# Altium PCB fMAX_MB.PcbDoc (part 2 of 13)
Units mil, origin at the board's own origin, x right, y up, seen from the top; angles counter-clockwise.
Board outline 9175 x 6300 mil, 14 copper layers (TopLayer, Gnd1, MidLayer1, Power1, MidLayer4, Power2, MidLayer2, Power3, MidLayer3, Gnd3, MidLayer6, Gnd2, MidLayer5, BottomLayer); 679 components, 896 nets, 4133 pads, 2341 vias.
Unrouted connection lines stored in the file: 4.
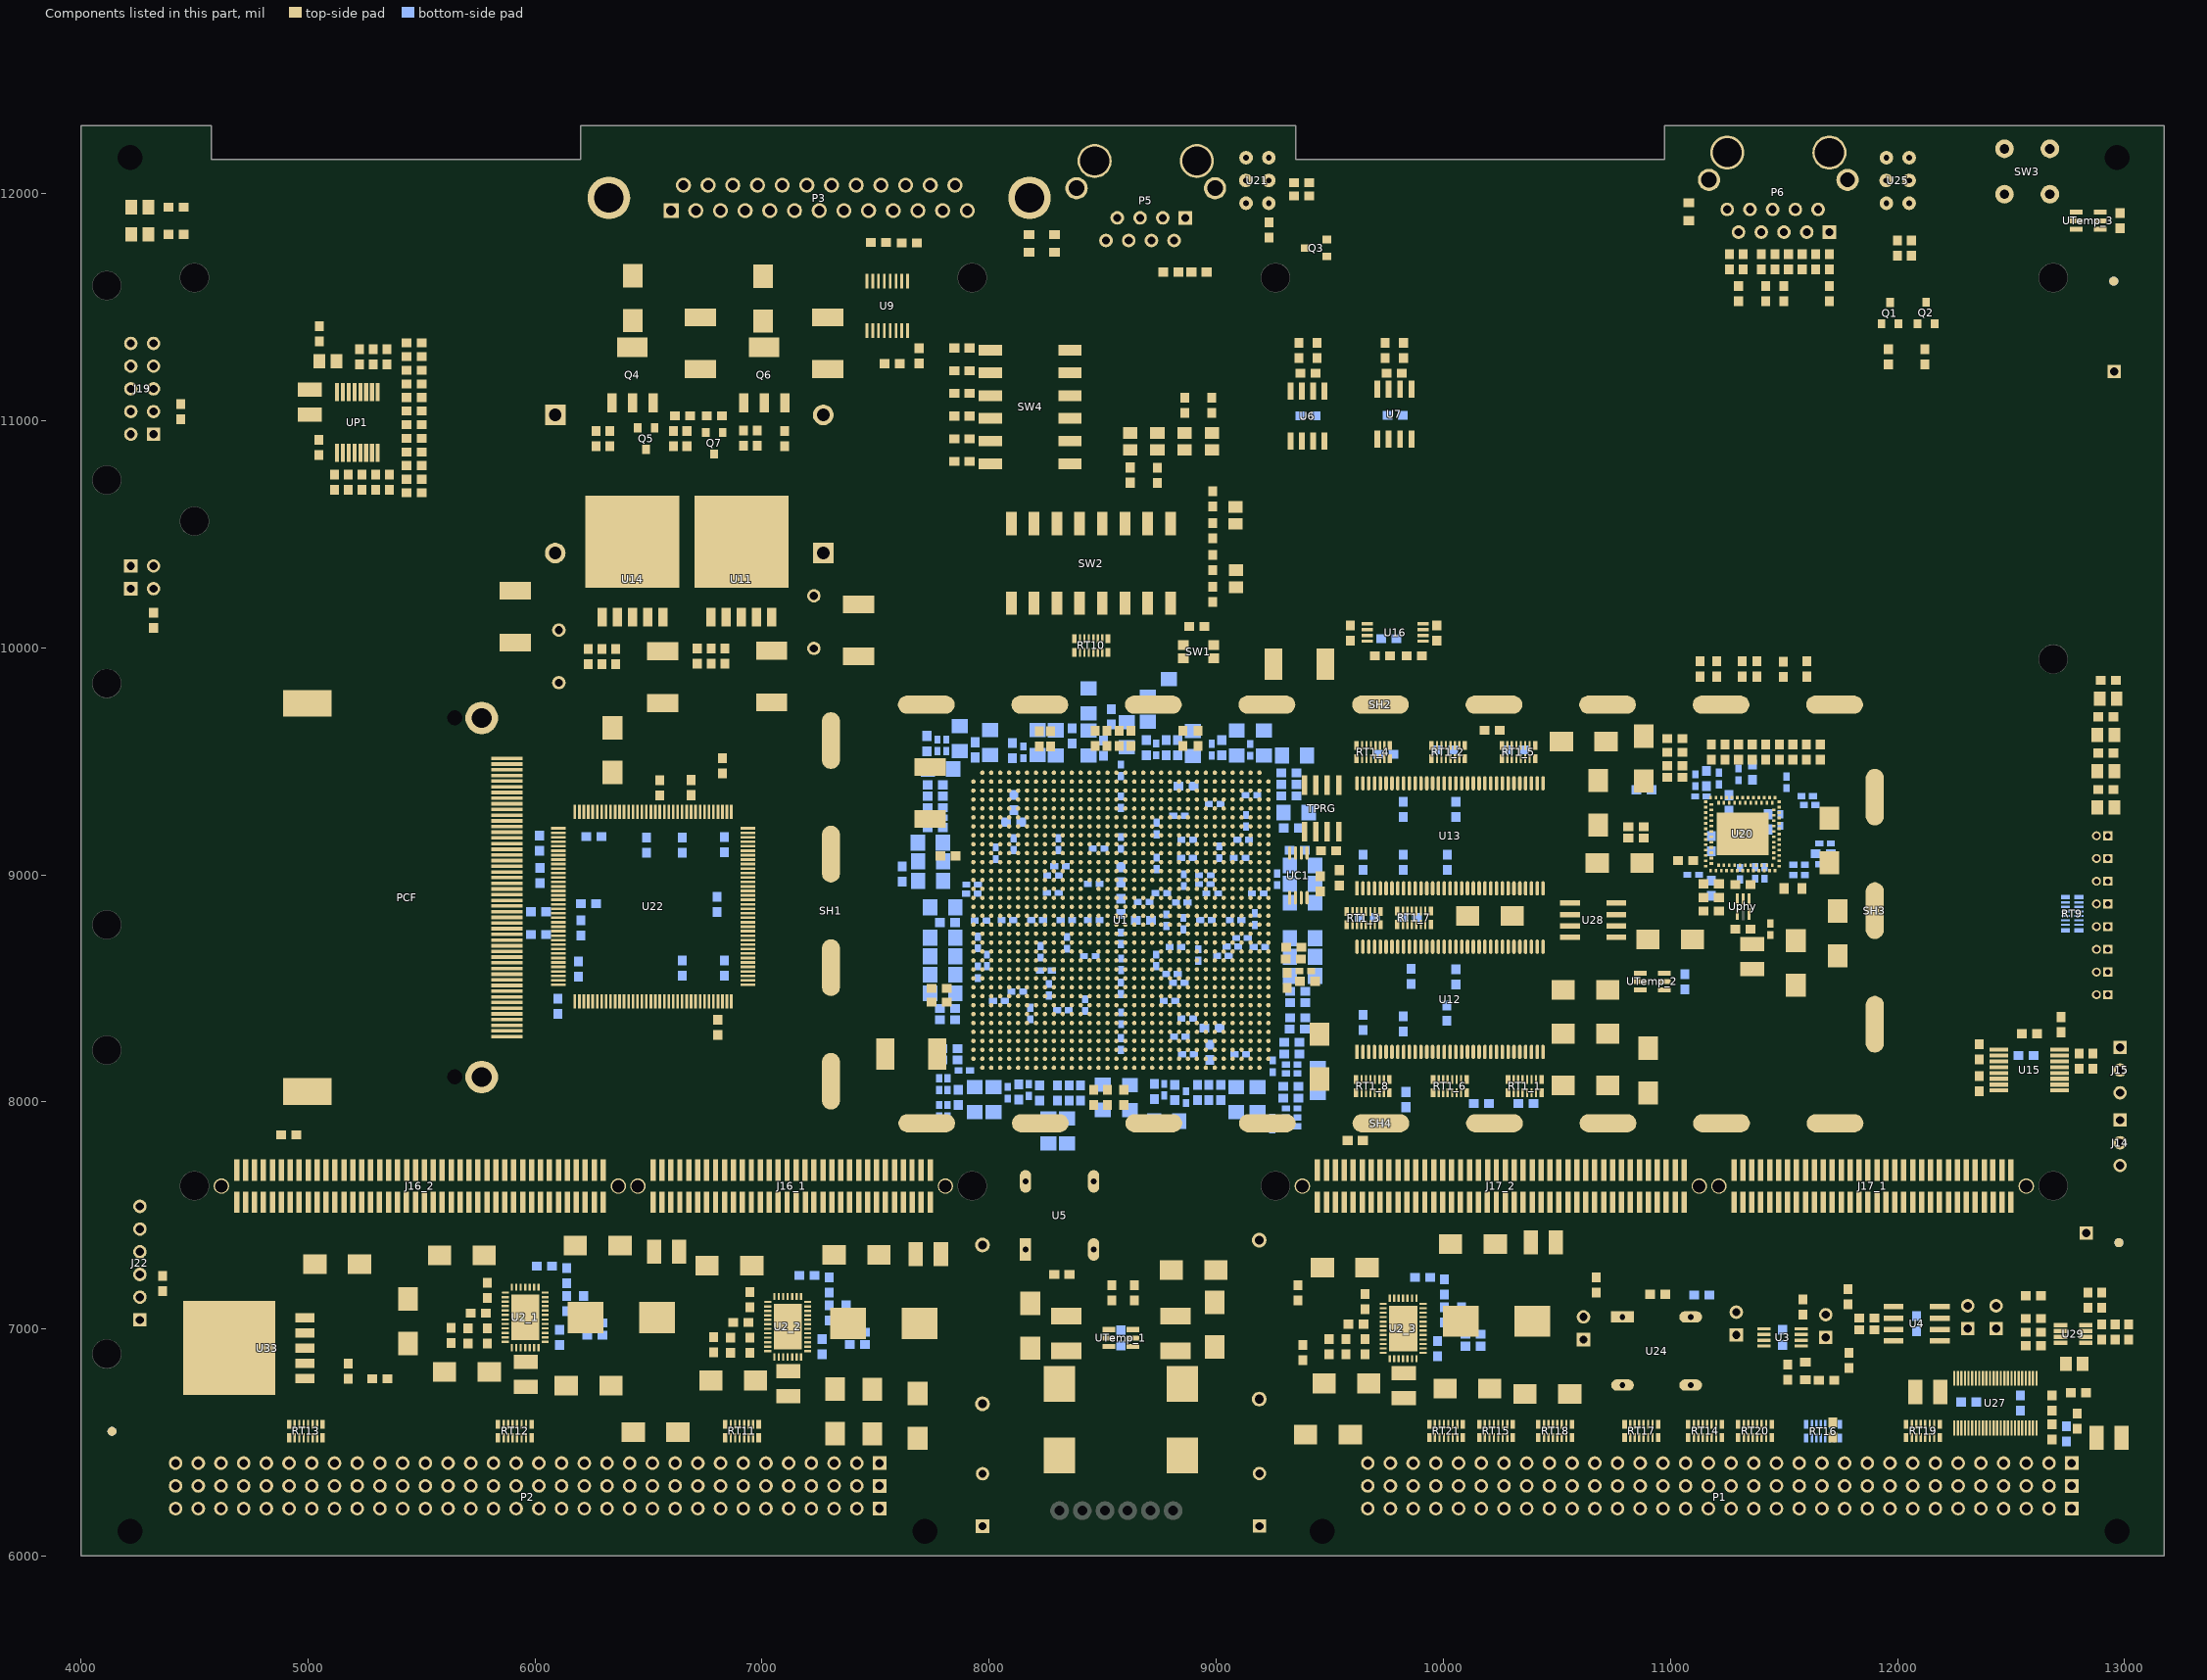
[diagram p14: the components of this part, seen from the top]

## Components (designator, comment, footprint, x,y, rotation, side; value= is the part's Value field where it differs from the comment) (continued)
R5 "DNL" CR1608-0603 9444.38,11308.16 r90 top
R6 "DNL" CR1608-0603 9364.38,11308.16 r90 top
R7 "DNL" CR1608-0603 9404.38,11208.16 r180 top
R8 "DNL" CR1608-0603 9824.38,11308.16 r90 top
R9 "DNL" CR1608-0603 9744.38,11308.16 r90 top
R10 "DNL" CR1608-0603 9784.38,11208.16 r180 top
R11 "100" CR1608-0603 8800,11654 r180 top
R12 "100" CR1608-0603 8924,11654 r180 top
R13 "10K" CR1608-0603 7691.47,11284.84 r90 top
R14 "DNL" CR1608-0603 9340,8629 r180 top
R15 "DNL" CR1608-0603 10215,9636 r0 top
R16_1 "DNL" CR1608-0603 5705,6970 r270 top (schematic designator R16)
R16_2 "DNL" CR1608-0603 6861.17,6928.93 r270 top (schematic designator R16)
R16_3 "DNL" CR1608-0603 9570.83,6920.93 r270 top (schematic designator R16)
R18 "4.99K" CR1608-0603 8914,10093 r0 top
R19 "DNL" CR1608-0603 9731,9964 r180 top
R20 "DNL" CR1608-0603 9591,10064 r90 top
R21 "10K" CR1608-0603 9971,10064 r90 top
R22 "10K" CR1608-0603 9871,9964 r180 top
R23 "4.99K" CR1608-0603 12800,8180 r90 top
R24 "4.99K" CR1608-0603 12860,8180 r90 top
R25_1 "100K" CR1608-0603 5790,7170 r90 top (schematic designator R25)
R25_2 "100K" CR1608-0603 6946.17,7128.93 r90 top (schematic designator R25)
R25_3 "100K" CR1608-0603 9655.83,7120.93 r90 top (schematic designator R25)
R26 "DNL" CR1608-0603 7780,8500 r180 top
R27 "DNL" CR1608-0603 8221,9599 r270 top
R28 "DNL" CR1608-0603 7780,8440 r180 top
R29 "DNL" CR1608-0603 8271,9599 r270 top
R30 "DNL" CR1608-0603 8460,8020 r270 top
R31 "DNL" CR1608-0603 8520,8020 r270 top
R32 "DNL" CR1608-0603 8467,9601 r270 top
R33 "DNL" CR1608-0603 8518,9601 r270 top
R34 "0" CR1608-0603 11599,9540 r270 top
R35 "0" CR1608-0603 11539,9540 r270 top
R36 "0" CR1608-0603 11480,9540 r270 top
R37 "0" CR1608-0603 11420,9540 r270 top
R38 "0" CR1608-0603 11240,9540 r270 top
R39 "0" CR1608-0603 11180,9540 r270 top
R40 "0" CR1608-0603 11601,9906 r270 top
R41 "4.99K" CR1608-0603 11316,9906 r90 top
R41_1 "2.49K" CR1608-0603 6264,7026 r0 bottom (schematic designator R41)
R41_2 "2.49K" CR1608-0603 7420.17,6984.93 r0 bottom (schematic designator R41)
R41_3 "2.49K" CR1608-0603 10129.83,6976.93 r0 bottom (schematic designator R41)
R42 "4.99K" CR1608-0603 11204,9906 r90 top
R42_1 "100" CR1608-0603 6108,6962 r270 bottom (schematic designator R42)
R42_2 "100" CR1608-0603 7264.17,6920.93 r270 bottom (schematic designator R42)
R42_3 "100" CR1608-0603 9973.83,6912.93 r270 bottom (schematic designator R42)
R43 "4.99K" CR1608-0603 11130,9906 r90 top
R43_1 "Use 681 for _1, 1.18K for _2, 4.99K for _3" CR1608-0603 6264,6973 r180 bottom (schematic designator R43)
R43_2 "Use 681 for _1, 1.18K for _2, 4.99K for _3" CR1608-0603 7420.17,6931.93 r180 bottom (schematic designator R43)
R43_3 "Use 681 for _1, 1.18K for _2, 4.99K for _3" CR1608-0603 10129.83,6923.93 r180 bottom (schematic designator R43)
R44 "0" CR1608-0603 11360,9540 r270 top
R45 "0" CR1608-0603 11300,9540 r270 top
R46 "0" CR1608-0603 11497,9905 r270 top
R47 "4.99K" CR1608-0603 11381,9906 r90 top
R47_1 "1M" CR1608-0603 5790,6970 r90 top (schematic designator R47)
R47_2 "1M" CR1608-0603 6946.17,6928.93 r90 top (schematic designator R47)
R47_3 "1M" CR1608-0603 9655.83,6920.93 r90 top (schematic designator R47)
R48 "160" CR1608-0603 8621,10760 r90 top
R49 "160" CR1608-0603 8741,10759 r90 top
R50 "249" CR1608-0603 12927.32,9855.78 r180 top
R51 "160" CR1608-0603 8860.79,11068.32 r270 top
R52 "4.99K" CR1608-0603 11020,9600 r0 top
R53 "249" CR1608-0603 12917.32,9535.78 r180 top
R54 "160" CR1608-0603 8980.79,11068.32 r270 top
R55 "249" CR1608-0603 12917.32,9375.78 r180 top
R56 "4.99K" CR1608-0603 11020,9540 r0 top
R57 "49.9" CR1608-0603 11700,11700 r90 top
R58 "4.99K" CR1608-0603 11020,9430 r0 top
R59 "249" CR1608-0603 12917.32,9695.78 r180 top
R60 "49.9" CR1608-0603 11640,11700 r90 top
R61 "249" CR1608-0603 9375,11989 r0 top
R62 "49.9" CR1608-0603 11580,11700 r90 top
R63 "49.9" CR1608-0603 11400,11700 r90 top
R64 "249" CR1608-0603 9375,12047 r0 top
R65 "4.99K" CR1608-0603 11020,9480 r0 top
R66 "49.9" CR1608-0603 11520,11700 r90 top
R67 "49.9" CR1608-0603 10848,9212 r0 top
R68 "49.9" CR1608-0603 10848,9162 r0 top
R69 "49.9" CR1608-0603 11460,11700 r90 top
R70 "49.9" CR1608-0603 11320,11700 r90 top
R71 "0" CR1608-0603 11660,9540 r270 top
R72 "49.9" CR1608-0603 11260,11700 r90 top
R73 "4.99K" CR1608-0603 11067,9062 r0 top
R75 "10K" CR1608-0603 8640,7160 r90 top
R76 "10K" CR1608-0603 9382,6896 r90 top
R77 "0" CR1608-0603 8540,7160 r90 top
R78 "4.99K" CR1608-0603 9360,7160 r90 top
R79 "249" CR1608-0603 9233,11840 r270 top
R80 "681" CR1608-0603 8984.79,10654.62 r270 top
R81 "681" CR1608-0603 8984.79,10374.62 r270 top
R82 "4.99K" CR1608-0603 6805,8329 r270 top
R83 "4.99K" CR1608-0603 8984.79,10234.62 r270 top
R84 "4.99K" CR1608-0603 6202,8766 r90 bottom
R85 "1K" CR1608-0603 6022,8997 r270 bottom
R86 "1K" CR1608-0603 6020,9140 r90 bottom
R87 "DNL" CR1608-0603 7819,9083 r180 top
R88 "DNL" CR1608-0603 8984.79,10514.62 r90 top
R89 "1K" CR1608-0603 6016,8737 r180 bottom
R90 "1K" CR1608-0603 6016,8837 r180 bottom
R91 "0" CR1608-0603 6687,9384 r270 top
R92 "4.99K" CR1608-0603 4440,11040 r270 top
R93 "4.99K" CR1608-0603 6550,9382 r270 top
R94 "681" CR1608-0603 4420,11820 r0 top
R95 "4.99K" CR1608-0603 4320,10120 r270 top
R96 "4.99K" CR1608-0603 7880,11320 r0 top
R97 "4.99K" CR1608-0603 7880,11120 r0 top
R98 "4.99K" CR1608-0603 7880,10920 r0 top
R99 "681" CR1608-0603 4420,11940 r0 top
R100 "4.99K" CR1608-0603 7880,11220 r0 top
R101 "330" CR1608-0603 12120,11280 r270 top
R102 "4.99K" CR1608-0603 7880,10820 r0 top
R103 "4.99K" CR1608-0603 11960,11280 r270 top
R104 "120" CR1608-0603 11999,11760 r270 top
R105 "0" CR1608-0603 4360,7200 r90 top
R106 "1K" CR1608-0603 8624,9601 r270 top
R108 "1K" CR1608-0603 8572,9601 r270 top
R109 "120" CR1608-0603 12061,11760 r270 top
R110 "4.99K" CR1608-0603 8593,8020 r270 top
R111 "4.99K" CR1608-0603 9341,8681 r180 top
R112 "10K" CR1608-0603 12680,6673 r270 top
R113 "0" CR1608-0603 11517,6810 r90 top
R115 "DNL" CR1608-0603 11786,6861 r270 top
R116 "DNL" CR1608-0603 11864,7048 r0 top
R117 "DNL" CR1608-0603 11864,6997 r0 top
R118 "10K" CR1608-0603 12796,6719 r180 top
R119 "0" CR1608-0603 11715,6555 r270 top
R120 "0" CR1608-0603 12680,6547 r270 top
R121 "0" CR1608-0603 12743,6538 r270 bottom
R122 "DNL" CR1608-0603 8972,8218 r90 bottom
R123 "DNL" CR1608-0603 8981,8325 r0 bottom
R124 "0" CR1608-0603 12792,6595 r270 top
R125 "DNL" CR1608-0603 8919,9600 r270 top
R126 "DNL" CR1608-0603 8853,9600 r270 top
R127 "DNL" CR1608-0603 12598.32,7146.06 r0 top
R128 "0" CR1608-0603 12598.32,7046.06 r0 top
R129 "DNL" CR1608-0603 12898.32,6986.06 r270 top
R130 "40K" CR1608-0603 12898.32,7126.06 r90 top
R131 "0" CR1608-0603 12598.32,6926.06 r180 top
R132 "10K" CR1608-0603 12838.32,7126.06 r270 top
R133 "0" CR1608-0603 12598.32,6986.06 r0 top
R134 "4.99K" CR1608-0603 12958.32,6986.06 r90 top
R135 "249" CR1608-0603 13018.32,6986.06 r90 top
R154 "DNL" CR1608-0603 5178,6815 r90 top
R155 "10K" CR1608-0603 5317,6781 r180 top
R156 "10K" CR1608-0603 6609.13,10920.76 r90 top
R157 "10K" CR1608-0603 6329.13,10920.76 r90 top
R158 "10K" CR1608-0603 6649.13,11020.76 r180 top
R159 "10K" CR1608-0603 6669.13,10920.76 r90 top
R160 "10K" CR1608-0603 7099.06,10920.94 r90 top
R161 "10K" CR1608-0603 6918.06,10921.94 r90 top
R162 "10K" CR1608-0603 6789.13,11020.76 r0 top
R163 "27K" CR1608-0603 6775.06,9962.94 r270 top
R164 "170K" CR1608-0603 6714.06,9962.94 r90 top
R165 "1.5K" CR1608-0603 6295.13,9960.76 r270 top
R166 "240" CR1608-0603 6355.13,9960.76 r90 top
R167 "100" CR1608-0603 7511.47,11784.84 r180 top
R168 "100" CR1608-0603 7649,11782 r180 top
R199 "4.99K" CR1608-0603 7880,11020 r0 top
R452 "2.49K" CR1608-0603 11320,8760 r180 top
R453 "1K" CR1608-0603 11180,8840 r180 top
R454 "DNL" CR1608-0603 11180,8900 r0 top
R455 "50" CR1608-0603 11319,8957 r0 top
R456 "160" CR1608-0603 11180,8960 r0 top
R500 "10K" CR1608-0603 9494,9106 r180 top
R501 "10K" 1608[0603] 6826,9480 r270 top
R_ITH1_1 "3.32K" CR1608-0603 6139,7112 r270 bottom (schematic designator R_ITH1)
R_ITH1_2 "3.32K" CR1608-0603 7295.17,7070.93 r270 bottom (schematic designator R_ITH1)
R_ITH1_3 "3.32K" CR1608-0603 10004.83,7062.93 r270 bottom (schematic designator R_ITH1)
R_OSC1_1 "30.1K" CR1608-0603 5750,7070 r0 top (schematic designator R_OSC1)
R_OSC1_2 "30.1K" CR1608-0603 6906.17,7028.93 r0 top (schematic designator R_OSC1)
R_OSC1_3 "30.1K" CR1608-0603 9615.83,7020.93 r0 top (schematic designator R_OSC1)
RP1 "10K" CR1608-0603 5467.88,11221.88 r180 top
RP2 "10K" CR1608-0603 5467.88,11341.88 r180 top
RP3 "100K" CR1608-0603 5467,11161 r180 top
RP4 "10K" CR1608-0603 5287.88,11281.88 r270 top
RP5 "100K" CR1608-0603 5467.88,11281.88 r180 top
RP6 "10K" CR1608-0603 5347.88,11281.88 r270 top
RP8 "30.1K" CR1608-0603 5467.88,10801.88 r0 top
RP10 "30.1K" CR1608-0603 5467.88,10861.88 r0 top
RP11 "10K" CR1608-0603 5297.88,10728.42 r90 top
RP12 "30.1K" CR1608-0603 5467.88,10921.88 r0 top
RP13 "10K" CR1608-0603 5237.88,10728.42 r90 top
RP14 "30.1K" CR1608-0603 5467.88,10981.88 r0 top
RP15 "10K" CR1608-0603 5177.88,10728.42 r90 top
RP16 "10K" CR1608-0603 5117.88,10728.42 r90 top
RP17 "10K" CR1608-0603 5467.88,11101.88 r180 top
RP18 "100K" CR1608-0603 5467.88,10681.88 r0 top
RP19 "100K" CR1608-0603 5467.88,11041.88 r180 top
RP20 "10K" CR1608-0603 5227.88,11281.88 r270 top
RP21 "10K" CR1608-0603 5467.88,10741.88 r0 top
RP22 "10K" CR1608-0603 5357.88,10728.42 r90 top
RP25 "681" CR1608-0603 5050,11383 r90 top
RT1_1 "47 EXB-2HV470JV" 0402_Array_2HV 10290,8040 r90 top (schematic designator RT1)
RT1_2 "47 EXB-2HV470JV" 0402_Array_2HV 10090,9570 r270 top (schematic designator RT1)
RT1_3 "47 EXB-2HV470JV" 0402_Array_2HV 9580,8780 r90 top (schematic designator RT1)
RT1_4 "47 EXB-2HV470JV" 0402_Array_2HV 9760,9570 r270 top (schematic designator RT1)
RT1_5 "47 EXB-2HV470JV" 0402_Array_2HV 10400,9570 r270 top (schematic designator RT1)
RT1_6 "47 EXB-2HV470JV" 0402_Array_2HV 9960,8040 r90 top (schematic designator RT1)
RT1_7 "47 EXB-2HV470JV" 0402_Array_2HV 9940,8840 r270 top (schematic designator RT1)
RT1_8 "47 EXB-2HV470JV" 0402_Array_2HV 9620,8040 r90 top (schematic designator RT1)
RT6 "49.9" CR1608-0603 9312,8536 r270 top
RT9 "10K EXB-2HV103JV" 0402_Array_2HV 12740,8760 r0 bottom
RT10 "10K EXB-2HV103JV" 0402_Array_2HV 8380,9980 r90 top
RT11 "0 EXB-2HVR000V" 0402_Array_2HV 6980,6580 r270 top
RT12 "0 EXB-2HVR000V" 0402_Array_2HV 5980,6580 r270 top
RT13 "0 EXB-2HVR000V" 0402_Array_2HV 5060,6580 r270 top
RT14 "0 EXB-2HVR000V" 0402_Array_2HV 11221,6580.27 r270 top
RT15 "0 EXB-2HVR000V" 0402_Array_2HV 10301,6580.27 r270 top
RT16 "0 EXB-2HVR000V" 0402_Array_2HV 11741,6520.27 r90 bottom
RT17 "0 EXB-2HVR000V" 0402_Array_2HV 10941,6580.27 r270 top
RT18 "0 EXB-2HVR000V" 0402_Array_2HV 10561,6580.27 r270 top
RT19 "0 EXB-2HVR000V" 0402_Array_2HV 12181,6580.27 r270 top
RT20 "0 EXB-2HVR000V" 0402_Array_2HV 11441,6580.27 r270 top
RT21 "0 EXB-2HVR000V" 0402_Array_2HV 10081,6580.27 r270 top
Rv2_1 "4.99K" 1608[0603] 9612,7830 r0 top
Rv2_2 "4.99K" 1608[0603] 4915,7854 r180 top
SH1 "Comment" Shield250_07_4 7303,8091 r90 top
SH2 "Comment" Shield250_18 7473,9749 r0 top
SH3 "Comment" Shield250_07 11900,8092 r90 top
SH4 "Comment" Shield250_18 7475,7906 r0 top
SW1 "SW, EVP-AA402W" EVPAA 8988,9953 r180 top
SW2 "SW DIP-8, GDH08S" DIP_SW_8WAY_SMD 8448,10371 r0 top
SW3 "SW, TP11SH8ABE" TP11SH8ABE 12471,12197 r0 top
SW4 "SW DIP-6, GDH06S" DIP_SW_SM6POS 8180,11160 r90 top
TPRG "DNL, SW DIP-4, GDH06S" SO-G8 9464,9292 r0 top
U1 "XC4VLX100-11FF1148C" FF1148 8580,8800 r270 top
U2_1 "REG, LTC3418EUHF" UH38_N 5956,7050 r0 top (schematic designator U2)
U2_2 "REG, LTC3418EUHF" UH38_N 7112,7009 r0 top (schematic designator U2)
U2_3 "REG, LTC3418EUHF" UH38_N 9822,7001 r0 top (schematic designator U2)
U3 "IC, SN74AVC2T45DCTR" TSSO3x5-G8/X.35 11493.94,6962.88 r90 top
U4 "IC, DS92LV010ATM" SOP8 12083.94,7022.88 r90 top
U5 "CONN, Oscillator Socket, Half Size" DIP_Osc 8160,7350 r90 top
U6 "IC, ADM3485EARZ, RS485Transceiver" SO-G8/Y1.9 9401.47,11019.84 r0 top
U7 "IC, ADM3485EARZ, RS485Transceiver" SO-G8/Y1.9 9784.38,11028.16 r0 top
U9 "IC, DS90LV049TMT" TSSO5x6-G16 7551,11505 r180 top
U11 "REG, LM2931CS" TS5B 6909.13,10300.76 r0 top
U12 "IC, DDR SDRAM MT46V16M16P-6T IT:F TR" TSOP-66 9620,8220 r90 top
U13 "IC, DDR SDRAM MT46V16M16P-6T IT:F TR" TSOP-66 9620,8940 r90 top
U14 "REG, LM2991S" TS5B 6429.13,10300.76 r0 top
U15 "IC, ADM3202ARUZ" SSO-G16/X.45 12580,8140 r270 top
U16 "DNL, EEPROM 24LC04B" TSSOP8-4.4 9664.32,10105.68 r0 top
U20 "IC, Marvell 88E1111-CAA" BCC_96 11460,9340 r0 top
U21 "LED Front Panel GGG" LED_Tri_ 9180,12060 r180 top
U22 "XCCACE-TQG144I" TQFP144 6520,8860 r90 top
U24 "CONN, Oscillator Socket, Half Size" DIP_Osc 10788.94,7052.88 r0 top
U25 "LED Front Panel GYR" LED_Tri_ 12000,12060 r180 top
U27 "IC, SN74AVCB164245VR" DGV048 12431,6673 r180 top
U28 "REG, LP2996M, DDR Termination" M08A 10660,8800 r270 top
U29 "IC, MAX6734KAZGD3-T" SOP23-8 12718.32,7016.06 r0 top
U33 "REG, Linear 3.3V, LP3966ES-3.3" TS5B 4820,6916 r90 top
UC1 "IC, MAX6685AU75H" uSOP8 9323,8899 r90 top
UP1 "IC, ADC128S102CIMT" SSO-G16/X.45 5217.88,10991.88 r0 top
Uphy "IC, LMV7219M7" MAA05A 11320,8860 r180 top
UTemp_1 "IC, ADT7301ARTZ" SO-G6/E2.4 8580,6960 r90 top (schematic designator UTemp)
UTemp_2 "IC, ADT7301ARTZ" SO-G6/E2.4 10920,8530 r90 top (schematic designator UTemp)
UTemp_3 "IC, ADT7301ARTZ" SO-G6/E2.4 12840,11880 r90 top (schematic designator UTemp)

## Footprints (in the part's own frame and the unit in brackets; to place one, negate y for a bottom-side part, rotate by r counter-clockwise, add the part's x,y. Pads: shape width x height; smd on the part's side, far side on the other; paste and mask are expansions set on the pad)
0402_Array_2HV [mm]
  rect 1x0.5 smd: 1(0,0.125) 8(0,-3.625) 9(1.5,-3.625) 16(1.5,0.125)
  rect 1x0.25 smd: 2(0,-0.5) 3(0,-1) 4(0,-1.5) 5(0,-2) 6(0,-2.5) 7(0,-3) 10(1.5,-3) 11(1.5,-2.5) 12(1.5,-2) 13(1.5,-1.5) 14(1.5,-1) 15(1.5,-0.5)
  silkscreen extent -0.01,-4.1 1.5,0.6
1608[0603] [mm] "Chip Capacitor; Body 1.6 x 0.8 mm (LxW typ)"
  rect 1.1x1 smd: 1(-0.85,0) 2(0.85,0)
120603-1 [mm] "1.0mm FH (IEEE1386) 64-Pin Connector"
  round 1.727 hole 1.422: 0(1.803,1.702) 1(1.803,-32.69)
  rect 2.4x0.6 smd: 1(3.6,0) 2(0,0) 3(3.6,-1) 4(0,-1) 5(3.6,-2) 6(0,-2.032) 7(3.6,-3) 8(0,-3) 9(3.6,-4) 10(0,-4) 11(3.6,-5) 12(0,-5) 13(3.6,-6) 14(0,-6) 15(3.6,-7) 16(0,-7) 17(3.6,-8) 18(0,-8) 19(3.6,-9) 20(0,-9) 21(3.6,-10) 22(0,-10) 23(3.6,-11) 24(0,-11) 25(3.6,-12) 26(0,-12) 27(3.6,-13) 28(0,-13) 29(3.6,-13.97) 30(0,-14) 31(3.6,-15) 32(0,-15) 33(3.6,-16) 34(0,-16) 35(3.6,-17) 36(0,-17) 37(3.6,-18) 38(0,-18) 39(3.6,-19) 40(0,-19) 41(3.6,-20) 42(0,-20) 43(3.6,-21) 44(0,-21) 45(3.6,-22) 46(0,-22) 47(3.6,-23) 48(0,-23) 49(3.6,-24) 50(0,-24) 51(3.6,-25) 52(0,-25) 53(3.6,-26) 54(0,-26) 55(3.6,-27) 56(0,-27) 57(3.6,-28) 58(0,-28) 59(3.6,-29) 60(0,-29) 61(3.6,-30) 62(0,-30) 63(3.6,-31) 64(0,-31)
  silkscreen extent -1.4,-31.5 5.08,0.51
120603-2 [mm] "1.0mm FH (IEEE1386) 84-Pin Connector"
  round 1.727 hole 1.422: 0(1.803,1.702) 1(1.803,-42.697)
  rect 2.4x0.6 smd: 1(3.6,0) 2(0,0) 3(3.6,-1) 4(0,-1) 5(3.6,-2) 6(0,-2) 7(3.6,-3) 8(0,-3) 9(3.6,-4) 10(0,-4) 11(3.6,-5) 12(0,-5) 13(3.6,-6) 14(0,-6) 15(3.6,-7) 16(0,-7) 17(3.6,-8) 18(0,-8) 19(3.6,-9) 20(0,-9) 21(3.6,-10) 22(0,-10) 23(3.6,-11) 24(0,-11) 25(3.6,-12) 26(0,-12) 27(3.6,-13) 28(0,-13) 29(3.6,-14) 30(0,-14) 31(3.6,-15) 32(0,-15) 33(3.6,-16) 34(0,-16) 35(3.6,-17) 36(0,-17) 37(3.6,-18) 38(0,-18) 39(3.6,-19) 40(0,-19) 41(3.6,-20) 42(0,-20) 43(3.6,-21) 44(0,-21) 45(3.6,-22) 46(0,-21.971) 47(3.6,-23) 48(0,-23) 49(3.6,-24) 50(0,-24) 51(3.6,-25.019) 52(0,-25) 53(3.6,-26) 54(0,-26) 55(3.6,-27) 56(0,-27) 57(3.6,-28) 58(0,-28) 59(3.6,-29) 60(0,-29) 61(3.6,-30) 62(0,-30) 63(3.6,-30.988) 64(0,-31) 65(3.6,-32.004) 66(0,-32) 67(3.6,-33) 68(0,-33) 69(3.6,-34) 70(0,-34) 71(3.6,-35) 72(0,-35) 73(3.6,-36) 74(0,-36) 75(3.6,-37) 76(0,-37) 77(3.6,-38) 78(0,-38) 79(3.6,-39) 80(0,-39) 81(3.6,-40) 82(0,-40) 83(3.6,-41) 84(0,-41)
  silkscreen extent -1.52,-41.53 5.08,0.51
A-500 [mm] "Diode, Axial; Body 8.9 x 3.7 mm (LxDia. max), Lead Dia. 1.09 mm (max)"
  round 2.3 hole 1.4: 1(-7.725,0)
  rect 2.3x2.3 hole 1.4: 2(7.725,0)
  silkscreen extent -4.45,-1.85 4.55,1.85
BCC_96 [mm] "96-lead Bump Chip Carrier"
  rect 0.3x0.4 smd: 1(0,0) 2(-0.3,-0.584) 3(-0.6,0) 4(-0.9,-0.584) 5(-1.2,0) 6(-1.5,-0.584) 7(-1.8,0) 8(-2.1,-0.584) 9(-2.4,0) 10(-2.7,-0.584) 11(-3,0) 12(-3.3,-0.584) 13(-3.6,0) 14(-3.9,-0.584) 15(-4.2,0) 16(-4.5,-0.584) 17(-4.8,0) 18(-5.1,-0.584) 19(-5.4,0) 20(-5.7,-0.584) 21(-6,0) 22(-6.3,-0.584) 23(-6.6,0) 24(-7.2,0) 50(-7.2,-8.16) 51(-6.6,-8.16) 52(-6.3,-7.559) 53(-6,-8.16) 54(-5.7,-7.559) 55(-5.4,-8.16) 56(-5.1,-7.559) 57(-4.8,-8.16) 58(-4.5,-7.559) 59(-4.2,-8.16) 60(-3.9,-7.559) 61(-3.6,-8.16) 62(-3.3,-7.559) 63(-3,-8.16) 64(-2.7,-7.559) 65(-2.4,-8.16) 66(-2.1,-7.559) 67(-1.8,-8.16) 68(-1.5,-7.559) 69(-1.2,-8.16) 70(-0.9,-7.559) 71(-0.6,-8.16) 72(-0.3,-7.559) 73(0,-8.16)
  rect 0.4x0.3 smd: 25(-7.722,-0.48) 26(-7.112,-0.78) 27(-7.722,-1.08) 28(-7.112,-1.38) 29(-7.722,-1.68) 30(-7.112,-1.98) 31(-7.722,-2.28) 32(-7.112,-2.58) 33(-7.722,-2.88) 34(-7.112,-3.18) 35(-7.722,-3.48) 36(-7.112,-3.78) 37(-7.722,-4.08) 38(-7.112,-4.38) 39(-7.722,-4.68) 40(-7.112,-4.98) 41(-7.722,-5.28) 42(-7.112,-5.58) 43(-7.722,-5.88) 44(-7.112,-6.18) 45(-7.722,-6.48) 46(-7.112,-6.78) 47(-7.722,-7.08) 48(-7.112,-7.38) 49(-7.722,-7.68) 74(0.48,-7.68) 75(0.48,-7.08) 76(-0.127,-6.78) 77(0.48,-6.48) 78(-0.127,-6.18) 79(0.48,-5.88) 80(-0.127,-5.58) 81(0.48,-5.28) 82(-0.127,-4.98) 83(0.48,-4.68) 84(-0.127,-4.38) 85(0.48,-4.08) 86(-0.127,-3.78) 87(0.48,-3.48) 88(-0.127,-3.18) 89(0.48,-2.88) 90(-0.127,-2.58) 91(0.48,-2.28) 92(-0.127,-1.98) 93(0.48,-1.68) 94(-0.127,-1.38) 95(0.48,-1.08) 96(0.48,-0.48)
  rect 5.791x4.801 smd: 97(-3.6,-4.064)
  silkscreen extent -8.13,-8.51 0.89,0.38
CC1005-0402 [mm] "Chip Capacitor; Body 1.0 x 0.5 mm (LxW typ)"
  rect 0.9x0.7 smd: 1(-0.65,0) 2(0.65,0)
  silkscreen extent -1.4,-0.25 -1.4,0.25
CC1608-0603 [mm] "Chip Capacitor; Body 1.6 x 0.8 mm (LxW typ)"
  rect 1.1x1 smd: 1(-0.85,0) 2(0.85,0)
  silkscreen extent -1.7,-0.4 -1.7,0.4
CC3216-1206 [mm] "Chip Capacitor; Body 3.2 x 1.6 mm (LxW typ)"
  rect 1.6x1.8 smd: 1(-1.4,0) 2(1.4,0)
  silkscreen extent -0.3,-0.8 0.3,0.8
CC3225-1210 [mm] "Chip Capacitor; Body 3.2 x 2.5 mm (LxW typ)"
  rect 1.6x2.7 smd: 1(-1.4,0) 2(1.4,0)
  silkscreen extent -0.3,-1.25 0.3,1.25
CC4532-1812 [mm] "Chip Capacitor; Body 4.5 x 3.2 mm (LxW typ)"
  rect 1.9x3.4 smd: 1(-1.95,0) 2(1.95,0)
  silkscreen extent -0.7,-1.6 0.7,1.6
CC7343-31_Dsize [mm]
  rect 2x3.5 smd: 1(-2.9,0) 2(2.9,0)
  silkscreen extent -4.57,-2.54 4.57,2.54
CF_AVX5611 [mm] "CompactFlash Card Header, SM; Normal Polarization; 50 Position; Right Angle; Pitch 0.635 mm"
  rect 0.4x3.5 smd: 1(-15.557,26.3) 2(-14.287,26.3) 3(-13.017,26.3) 4(-11.747,26.3) 5(-10.477,26.3) 6(-9.207,26.3) 7(-7.937,26.3) 8(-6.667,26.3) 9(-5.397,26.3) 10(-4.127,26.3) 11(-2.857,26.3) 12(-1.587,26.3) 13(-0.317,26.3) 14(0.953,26.3) 15(2.223,26.3) 16(3.493,26.3) 17(4.763,26.3) 18(6.033,26.3) 19(7.303,26.3) 20(8.573,26.3) 21(9.843,26.3) 22(11.113,26.3) 23(12.383,26.3) 24(13.653,26.3) 25(14.923,26.3) 26(-14.922,26.3) 27(-13.652,26.3) 28(-12.383,26.3) 29(-11.112,26.3) 30(-9.842,26.3) 31(-8.572,26.3) 32(-7.302,26.3) 33(-6.032,26.3) 34(-4.762,26.3) 35(-3.492,26.3) 36(-2.222,26.3) 37(-0.952,26.3) 38(0.318,26.3) 39(1.588,26.3) 40(2.858,26.3) 41(4.128,26.3) 42(5.398,26.3) 43(6.668,26.3) 44(7.938,26.3) 45(9.208,26.3) 46(10.478,26.3) 47(11.748,26.3) 48(13.018,26.3) 49(14.288,26.3) 50(15.558,26.3)
  round 3.65 hole 2.2: 51(-20.08,23.5) 52(20.08,23.5)
  rect 3x5.4 smd: 53(-21.71,4) 54(21.71,4)
  round 1.4 hole 1.7 unplated: 55(-20.08,20.5) 56(20.08,20.5)
  silkscreen extent -23.32,-3 23.3,27.93
CNVME96 [mil]
  round 50 hole 110: 97(200,-100) 98(-3300,-100)
  rect 60x60 / inner round 60 / far side rect 60x60 hole 37: A1(0,0) B1(0,100) C1(0,200)